# KiCad board Gotek.kicad_pcb (continued)
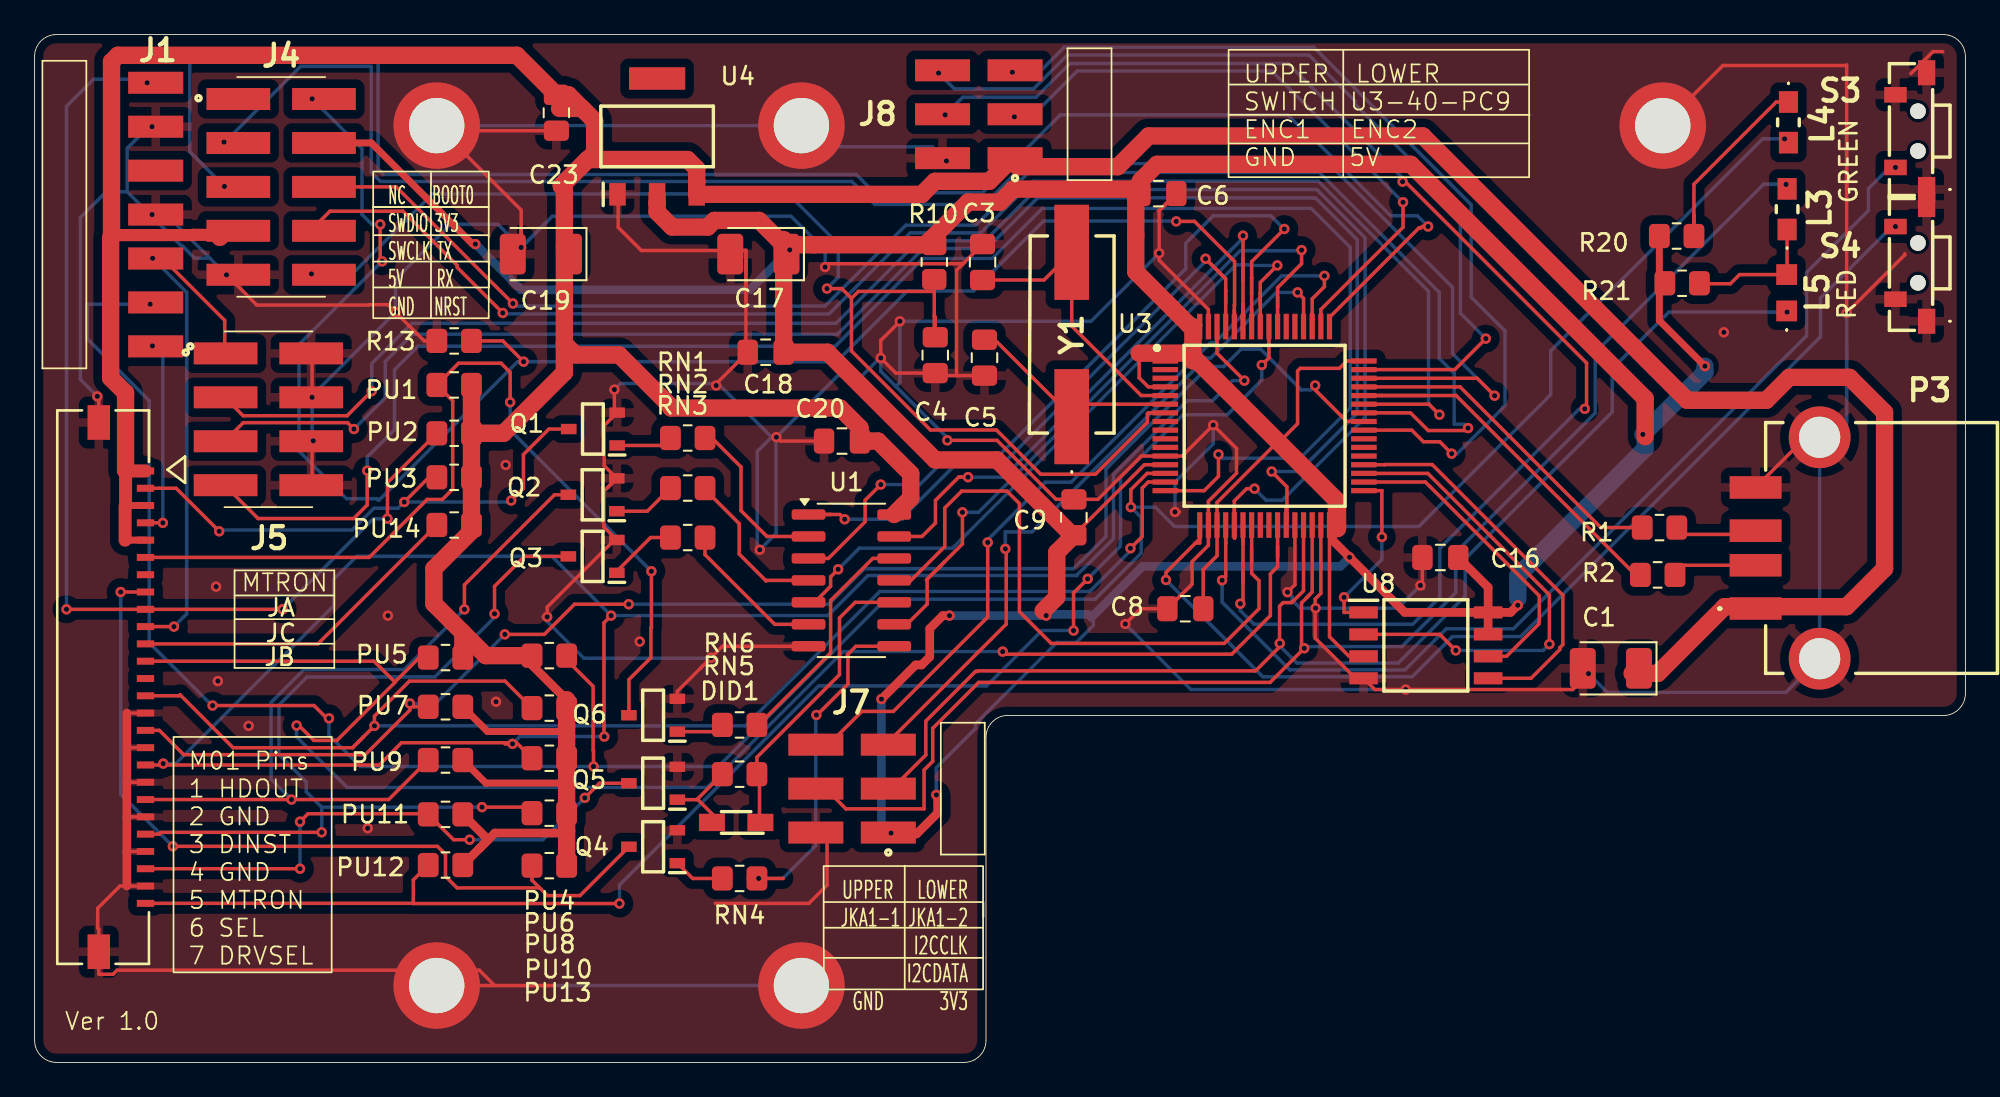
[diagram p0: board, top side]
## Routing (per net, layer and track width the routed paths; a pad name or vN(x,y) marks a point on that pad's centre or on a via; arc(x,y) is an arc through that point)
5V: length 309.8
  Top w0.2: 30.62,50.53 30.47,50.69 30.45,50.7 ; 30.75,19.49 PU6.2 30.75,19.49 ; 30.75,19.49 PU8.2 ; C23.1 30.16,55.95 ; 38.27,50.93 U4.3 ; U1.14 50.16,32.16 ; U1.14 49.92,31.92 ; U1.14 50.64,32.64 ; 5.26,32.26 5.32,32.2 P1.3 ; 48.23,35.93 C20.2 ; PU12.2 25.68,12.34 ; 30.75,16.59 PU8.2 ; 30.75,16.59 PU8.2 ; 30.75,16.59 PU10.2 PU13.2 ; 5.23,32.16 5.27,32.2 ; 24.75,14.34 PU11.2
  Top w0.4: 30.75,16.59 30.31,16.15 26.08,16.15 25.64,16.59 PU9.2 ; P1.3 5.27,32.2 ; P1.5 5.23,30.2 ; 30.75,19.49 30.4,19.13 26.18,19.13 PU7.2
  Top w0.5: PU10.2 30.75,13.36 30.65,13.26 26.6,13.26 26.22,12.88 ; 25.68,12.34 26.22,12.88 ; 25.68,12.34 26.22,12.88 ; 25.68,12.34 PU12.2 ; 26.22,12.88 24.75,14.34 ; 30.75,20.97 28.75,22.97 PU4.1
  Top w0.7: 4.39,47.7 4.54,47.85 4.86,47.85 4.86,47.84 9.14,47.84 9.14,47.85 10.56,47.85 10.71,47.7
  Top w0.75: P1.1 5.3,34.2 5.26,34.24 5.26,32.26 ; 5.23,30.2 5.23,32.16
  Top w1: 30.62,41.56 30.62,50.53 ; 30.62,41.56 30.62,39.89 27.11,36.38 PU2.2 ; 30.62,41.56 31.28,40.91 33.79,40.91 36.79,37.91 36.79,37.84 46.56,37.84 47.7,36.69 C20.2 48.75,35.93 50.64,34.04 50.64,32.64 50.16,32.16 U1.14 ; 4.44,47.75 4.44,57.86 4.81,58.23 27.88,58.23 30.16,55.95 30.86,55.95 32.37,54.44 ; PU2.2 PU3.2 PU14.2 25.25,30.72 23.08,28.55 23.08,26.52 24.75,24.85 ; PU2.2 PU1.2 ; 32.37,54.44 32.37,52.59 31.98,52.2 ; 32.37,54.44 31.65,55.16 30.34,55.16 ; 4.39,47.7 4.39,39.57 5.26,38.71 5.26,34.24 5.3,34.2 ; PU4.1 26.08,23.52 24.75,24.85 ; 31.98,52.2 30.47,50.69 30.45,50.67 30.45,50.7 31.95,52.2 31.98,52.2 ; 31.98,52.2 37.74,52.2 38.27,51.67 U4.3 51.28,50.19 52.03,50.94 55.18,50.94 56.43,52.2 56.84,51.79 62.61,51.79 64.39,53.57 80.24,53.57 95.52,38.28 100.09,38.28 101.42,39.61 104.91,39.61 106.93,37.59 106.93,28.55 104.73,26.35 97.68,26.35 93.83,22.49 92.34,22.49 ; 30.75,20.97 PU6.2 PU8.2 PU10.2 PU13.2 ; 24.75,24.85 PU5.2 ; 10.71,47.7 11.09,48.08
+3.3V: length 321.9
  Top w0.2: 43.94,47.28 v1(43.65,46.98) 43.61,46.95 44.72,46.95 45.04,47.28 R10.1 51.75,47.53 ; 25.45,47.34 v1(25.48,47.31) ; 74.84,30.88 74.84,31.07 ; 74.84,30.88 74.84,31.07 ; 74.84,30.88 75.01,30.71 ; 74.84,30.88 74.84,24.61 75.98,23.48 U8.3 ; 74.84,31.07 U3.32 ; 74.84,31.07 74.84,32.57 ; 96.62,40.19 v1(96.54,40.26) ; C9.2 64.15,34.56 U3.13 ; 76.83,40.56 U3.48 75.85,40.56 75.42,40.13 73.15,40.13 73,39.98 73,36.93 72.03,35.96 ; R21.1 93.91,45.37 R20.1 ; C16.2 82.29,29.19 ; 65.36,39.06 U3.4 64.37,39.06 63.84,39.58 63.84,41.01 ; v1(92.95,36.31) 93.09,36.18 ; 71.63,35.67 68.34,32.38 U3.19 68.34,31.07 68.34,29.3 67.55,28.5 67.55,26.23 C8.1 ; 66.72,42.65 67.4,42.65 67.4,42.6 67.34,42.55 U3.64 ; 35.98,49.68 U4.2 ; 63.92,50.6 C6.1 ; U8.8 U8.7
  Top w0.4: 15.94,53.16 19.47,53.16 25.3,47.34 25.45,47.34 ; v1(96.54,40.26) 93.91,42.89 R20.1
  Top w0.5: 52.2,15.34 52.2,14.43 50.98,13.21 49.5,13.21 ; U8.8 84.01,27.47 82.29,29.19 ; U8.8 U8.7 ; U8.8 79.19,26.02 v1(76.01,29.21) 75.01,30.2 75.01,30.71 ; U8.8 85.31,26.02 v1(85.72,26.43) ; v1(52.88,25.84) 52.49,25.84 51.74,25.08 51.74,23.45 51.27,22.98 50.92,22.98 v1(48.95,21.01)
  Top w1: 63.84,41.01 66.75,41.01 75.31,32.45 75.31,30.86 ; 66.93,42.44 66.72,42.65 63.65,45.72 63.65,49.97 C6.1 63.92,50.97 64.87,51.93 79.55,51.93 93.09,38.39 93.09,36.18 ; 58.29,26.11 59.08,26.9 59.08,29.49 C9.2 59.98,30.48 55.63,34.84 52.05,34.84 45.83,41.06 C18.2 43.29,47.58 ; 63.81,50.13 63.45,50.5 56.57,50.5 55.81,49.74 53.96,49.74 51.75,47.53 51.49,47.28 43.94,47.28 ; U4.2 35.98,49.17 36.85,48.3 38.91,48.3 39.29,48.68 41.88,48.68 43.61,46.95 ; 66.95,42.55 66.95,40.56
  Bottom w0.2: 61.19,25.26 61.19,25.73 61.08,25.73 ; 52.12,15.45 v1(52.12,15.47) 52.12,17.04 54.38,19.3 54.38,19.58 59.09,24.28 60.21,24.28 61.08,25.15 ; 85.72,26.82 v1(85.72,26.43) ; v1(92.95,36.31) 93.09,36.18
  Bottom w0.5: v1(25.48,47.31) 28.12,44.67 41.34,44.67 v1(43.65,46.98) ; v1(52.88,25.84) v1(58.47,25.84) 58.54,25.91 60.9,25.91 61.08,25.73 64.04,28.68 75.48,28.68 v1(76.01,29.21) ; 49.56,13.21 v1(49.5,13.26) 48.95,13.82 v1(48.95,21.01)
  Bottom w1: 85.72,26.82 85.72,28.13 93.09,35.49 93.09,36.18 ; v1(96.54,40.26) 96.54,39.9 v1(92.95,36.31)
GND: length 563.3
  Top w0.2: 104.17,36.42 104.17,36.42 104.17,36.42 ; 104.17,36.42 103.45,36.42 P3.MH2 102.37,36.14 P3.4 ; P1.25 4.93,10.2 3.65,8.91 3.65,7.76 3.71,7.7 P1.P2 3.71,5.1 4.54,5.1 4.78,5.33 25.7,5.33 26.59,4.45 ; v1(16.1,35.94) 16.04,35.88 16.04,33.38 ; C8.2 66.19,26.95 ; C8.2 66.19,26.95 ; C8.2 63.93,26.23 v1(63.04,25.35) ; 66.19,26.95 66.9,27.66 66.9,28.96 67.84,29.9 67.84,30.94 ; 80.26,27.41 v1(80.1,27.58) 80.21,27.69 C16.1 ; H3.1 26.59,4.45 ; 26.59,4.45 29.94,4.45 ; 45.8,13.21 45.8,10.24 44.75,9.19 39.34,9.19 ; 104.74,53.96 104.74,51.16 ; 33.12,33.24 32.9,33.02 32.9,30.96 Q3.2 33.51,30.21 29.63,26.32 v1(29.63,25.76) ; 33.12,33.24 Q2.2 ; 33.12,33.24 33.12,33.24 Q2.2 ; Q2.2 32.92,34.5 32.92,36.82 Q1.2 33.51,37.73 v1(33.51,38.9) ; 65.39,49.63 C6.2 ; 65.39,49.63 C6.2 ; 65.39,49.63 65,49.24 ; C6.2 65,49.24 ; C6.2 65,49.24 ; 11.09,45.54 v1(11.09,45.54) 12.84,43.79 19.28,43.79 19.3,43.81 20.42,43.81 v1(20.86,43.37) 22.52,41.72 R13.2 ; 67.84,30.94 67.84,31.07 ; 67.84,30.94 67.84,31.07 ; P1.23 5.61,12.2 ; 38.59,22.9 v1(39.1,23.4) 39.75,24.06 U1.7 ; 38.59,22.9 38.45,22.76 ; 38.59,22.9 37.15,21.46 Q6.2 ; 65,49.24 v1(65,46.79) 65,46.38 67.84,43.53 67.84,42.55 ; 65,49.24 65,49.24 ; 41.11,46.95 41.11,44.06 ; 41.11,46.95 41.11,44.06 ; 41.11,46.95 39.76,46.95 ; 41.11,46.95 35.07,46.95 33.73,48.28 33.73,50.15 U4.1 ; 41.11,44.06 41.11,41.17 C18.1 39.4,39.24 v1(39.4,39.14) ; 28.12,47.66 28.12,47.66 v1(28.12,47.12) 28.12,47.66 ; 28.12,47.66 28.12,48.2 ; 28.12,47.66 28.12,48.2 ; 53.29,39.71 53.29,45.81 53.72,46.25 ; 53.29,39.71 52.2,39.71 C4.2 49.78,39.86 v1(48.91,40.73) 48.91,41.75 v1(50.01,42.85) ; 53.29,39.71 C5.2 ; v1(16.04,38.46) 16.04,41 ; 67.84,31.07 U3.18 67.84,32.44 69.47,34.07 69.47,35.5 v1(68.12,36.85) 66.33,35.06 U3.12 63.96,35.06 61.46,32.56 C9.1 59.04,32.56 55.63,35.97 v1(52.76,35.97) ; v1(42.88,36.15) 43.1,35.93 C20.1 45.63,35.93 ; 5.61,18.2 5.61,18.2 ; 5.61,18.2 P1.17 ; 5.61,18.2 5.61,18.2 ; U3.31 74.34,27.12 74.02,26.79 74.02,24.53 76.34,22.21 U8.4 77.46,21.56 v1(79.25,21.56) 88.9,21.56 89.1,21.76 89.84,22.49 ; 104.74,51.16 104.74,50.42 ; 104.74,51.16 104.74,50.42 ; 104.74,51.16 104.74,57.67 104.71,57.64 97.58,57.64 H5.1 ; 104.74,51.16 104.74,50.42 ; P1.21 5.61,14.2 ; 5.61,14.2 5.61,14.2 ; 5.61,14.2 5.61,14.2 ; 108.45,57.17 109.72,58.44 110.3,58.44 ; 108.1,46.76 108.1,46.69 v1(104.74,43.33) 104.74,50.42 ; P1.19 5.61,16.2 ; 5.61,16.2 5.61,16.2 ; 5.61,16.2 5.61,16.2 ; v1(72.41,27.19) 72.84,27.62 72.84,31.07 U3.28 ; v1(3.62,38.51) 3.62,38.39 3.71,38.3 P1.P1 ; 28.12,48.2 28.12,49.29 H1.1 23.54,53.87 30.16,53.87 30.16,53.87 30.16,53.87 ; P1.15 5.61,20.2 ; 53.72,46.25 53.66,46.18 45.88,46.18 v1(45.69,45.99) ; 53.72,46.25 C3.1 ; v1(65.91,31.83) 66.18,31.83
  Top w0.5: 5.33,10.2 5.33,14.2 ; 5.33,20.2 5.33,18.2 ; 5.33,16.2 5.33,14.2 ; 5.33,18.2 5.33,16.2
  Bottom w0.2: 29.56,48.56 v1(28.12,47.12) ; 29.56,48.56 29.93,48.93 43.72,48.93 45.69,46.95 v1(45.69,45.99) ; 29.56,48.56 v1(28.12,47.12) ; v1(28.12,47.12) 26.78,48.46 24.04,48.46 20.86,45.28 v1(20.86,43.37) 16.04,38.55 v1(16.04,38.46) 16.04,36.01 v1(16.1,35.94) ; 42.6,36.15 39.61,39.14 v1(39.4,39.14) 39.28,39.26 33.87,39.26 v1(33.51,38.9) ; 42.6,36.15 41.77,35.33 41.77,29.5 v1(41.91,29.64) 42.86,30.58 42.86,36.13 ; 42.6,36.15 v1(42.88,36.15) ; 104.74,43.42 v1(104.74,43.33) 104.74,41.36 ; 6.76,54.25 6.79,54.29 v1(6.79,54.1) 6.6,54.1 5.35,52.85 5.35,50.34 ; 29.36,25.76 v1(29.63,25.76) 29.63,25.49 31.75,23.37 39.06,23.37 v1(39.1,23.4) ; 104.74,39.18 104.74,41.36 ; 104.74,39.18 104.74,41.36 ; 104.74,39.18 104.74,36.99 104.17,36.42 ; v1(89.81,22.48) 90.9,21.39 101.23,21.39 P3.MH1 ; 42.86,36.13 42.75,36.13 ; 42.86,36.13 v1(42.88,36.15) ; v1(63.04,25.35) 66.83,21.56 v1(79.25,21.56) ; 5.35,50.34 4.14,50.34 2.65,48.85 2.65,39.49 v1(3.62,38.51) ; 5.35,50.34 8.5,47.19 8.56,47.19 9.25,46.5 10.13,46.5 ; v1(68.12,36.85) 68.12,35.76 65.91,33.55 v1(65.91,31.83) ; H1.1 H2.1 45.55,52.94 51.89,52.94 v1(52.71,52.12) ; 49.78,39.08 50.01,39.31 v1(50.01,42.85) 61.06,42.85 v1(65,46.79) ; 49.78,39.08 48.91,39.96 v1(48.91,40.73) 48.85,40.73 47.84,39.72 46.44,39.72 v1(42.88,36.15) ; 49.78,39.08 52.76,36.11 v1(52.76,35.97) ; v1(11.09,45.54) 7.61,49.02 v1(6.79,49.02) ; P3.MH2 103.17,23.28 ; H3.1 H4.1 ; v1(80.1,27.58) 78.79,26.27 v1(74.04,26.27) 73.14,26.27 72.69,26.72 72.69,26.91 v1(72.41,27.19)
  vias: v1(10.49,27.51) v1(10.59,22.05) v1(12.37,19.46) v1(19.25,13.54) v1(20.42,25.83) v1(26.67,20.85) v1(27.23,34.54) v1(34.98,24.33) v1(97.64,42.21)
BUT_L: length 61.5
  Top w0.2: v1(65.4,27.9) 65.4,28.33 67.1,30.03 ; 67.1,30.03 67.34,30.03 67.34,30.28 ; 67.1,30.03 67.34,30.28 ; 67.34,30.28 67.34,30.67 ; 67.34,30.28 67.34,30.67 ; 67.34,30.67 67.34,30.87 67.34,30.87 U3.17
  Bottom w0.2: v1(107.56,48.33) 107.36,48.33 103.23,44.2 103.23,41.95 85.89,24.62 81.95,24.62 79.62,22.29 71,22.29 v1(65.4,27.9)
BUT_R: length 61.2
  Top w0.2: 68.84,31.07 68.84,30.01 ; 68.84,30.01 68.84,30.01 U3.20 ; 68.84,30.01 68.84,28.08 v1(68.64,27.88) 68.74,27.78
  Bottom w0.2: v1(68.64,27.88) 68.64,26.61 72.55,22.69 79.21,22.69 81.58,25.07 85.48,25.07 102.42,42.01 102.42,45.68 105.99,49.25 105.99,50.52 107.22,51.75 v1(107.56,51.75)
CHNG: length 54.5
  Top w0.2: v1(35.65,28.4) 35.65,28.39 35.65,25.14 35.62,25.11 35.62,23.41 34.35,22.13 Q6.3 ; P1.6 19.34,29.2 22.69,32.55 23.57,32.55 24.17,33.15 24.17,38.26 PU1.1 24.51,40.43 26.96,40.43 27.49,39.9 v1(27.49,38.17)
  Bottom w0.2: v1(35.65,28.4) 27.49,36.56 v1(27.49,38.17)
CHNG_3V3: length 36.2
  Top w0.2: 69.84,45.17 69.84,43.86 ; 69.84,45.17 69.84,46.49 ; 69.84,45.17 69.84,46.49 ; 69.84,43.86 69.84,42.55 ; 69.84,43.86 69.84,43.86 U3.59 ; 69.84,46.49 v1(69.84,47.8) 69.84,47.87 69.83,47.89 ; U1.13 51.29,30.41 52.07,31.19 52.07,32.5 53.43,33.86 53.49,33.86 53.51,33.85 53.94,33.85 v1(53.95,33.84)
  Bottom w0.2: v1(53.95,33.84) 56.02,33.84 69.84,47.66 v1(69.84,47.8)
D+: length 4.8
  Top w0.2: R1.2 95.31,30.53 99.26,30.53 P3.3
D-: length 5.4
  Top w0.2: 95.14,28.52 95.37,28.74 P3.2 ; 95.14,28.52 R2.2 94.98,28.35 95.14,28.52
DIR: length 94.1
  Top w0.2: v1(15.14,19.48) 15.28,19.48 16.14,18.62 17.47,18.62 20.82,21.97 20.82,21.99 ; PU5.1 22.24,23.41 20.82,21.99 ; 71.84,30.47 71.84,30.47 U3.26 ; 71.84,30.47 71.84,31.07 ; 71.84,30.47 71.84,28.66 71.43,28.24 71.43,25.84 69.2,23.6 56.11,23.6 v1(55.96,23.75) 56.09,23.62 ; 71.84,29.26 71.84,29.86 ; 20.82,21.99 19.62,23.2 P1.12
  Bottom w0.2: v1(15.14,19.48) 15.14,18.82 18.06,15.9 38.87,15.9 46.73,23.75 v1(55.96,23.75)
DRVSEL: length 11.5
  Top w0.2: P1.4 v1(7.41,31.2)
  Bottom w0.2: v1(7.41,31.2) 7.41,40.82 v1(6.81,41.43)
ENC1: length 82.6
  Top w0.2: 69.84,27.78 69.84,28.87 ; 69.84,27.78 69.84,26.68 v1(69.69,26.52) ; 69.84,27.78 69.84,28.87 ; 69.84,28.87 69.84,29.97 ; 69.84,29.97 69.84,29.97 U3.22 ; 69.84,29.97 69.84,31.07 ; v1(89.6,37.79) 89.7,37.79 89.7,40.44 79.22,50.93 v1(79.07,50.93)
  Bottom w0.2: v1(52.63,54.79) 53.64,55.8 57.89,55.8 59.84,57.76 72.44,57.76 79.07,51.13 v1(79.07,50.93) ; v1(89.6,37.79) 89.56,37.75 89.25,37.75 81.23,29.73 81.23,26.9 79.65,25.33 70.48,25.33 69.69,26.12 v1(69.69,26.52)
ENC2: length 36.5
  Top w0.2: 74.34,42.79 74.34,43.53 79.1,48.29 v1(79.1,49.73) ; 74.34,42.79 74.34,42.55 ; 74.34,42.79 74.34,42.79 U3.50 ; 74.34,43.29 74.34,43.04
  Bottom w0.2: 56.54,54.76 v1(56.63,54.67) 56.64,54.66 57.61,54.66 60.27,57.33 71.5,57.33 v1(79.1,49.73)
ENCSW: length 51.1
  Top w0.2: U3.47 82.09,40.06 v1(83.88,41.85)
  Bottom w0.2: 52.21,57.24 v1(52.25,57.2) 53.17,56.29 57.73,56.29 59.69,58.24 73.66,58.24 76.31,55.59 76.31,55.41 82.41,49.31 82.41,43.32 v1(83.88,41.85)
HDOUT: length 61.3
  Top w0.2: v1(14.34,26.2) P1.9 v1(1.84,26.2) ; v1(20.4,31.44) 20.4,33.52 PU2.1
  Bottom w0.2: v1(14.34,26.2) 19.58,31.44 v1(20.4,31.44) ; v1(6.5,56.64) 6.3,56.85 3.41,56.85 1.84,55.28 v1(1.84,26.2)
I2C2_CLK: length 85.7
  Top w0.2: 73.48,26.84 73.84,27.2 U3.30 ; 73.71,27.05 73.23,26.57 73.23,24.1 v1(73.38,23.95) 71.41,21.97 54.57,21.97 51.91,19.32 51.91,17.4 51.41,16.9 51.41,14.66 46.89,14.66 45.8,15.75
  Bottom w0.2: 99.95,50.77 99.93,50.77 90.18,41.02 90.2,41 90.2,37.54 82.14,29.48 82.14,27.15 79.03,24.04 73.48,24.04 v1(73.38,23.95) ; 99.95,50.77 v1(101.23,50.77) 99.95,50.77
I2C2_DTA: length 76
  Top w0.2: 49.5,15.75 49.5,15.77 51.51,17.78 51.51,19.74 54.38,22.6 54.49,22.6 54.52,22.64 70.57,22.64 71.97,24.04 v1(71.97,24.23) 71.96,24.24 71.96,26.38 72.17,26.59 72.66,26.59 73.34,27.27 U3.29
  Bottom w0.2: v1(101.3,43.38) 94.46,43.38 91.18,40.11 91.18,37.61 82.68,29.11 82.68,26.96 78.82,23.09 72.96,23.09 71.97,24.08 v1(71.97,24.23)
INDEX: length 31.6
  Top w0.2: v1(21.36,32.4) 22.79,33.83 PU3.1 ; Q1.3 29.73,36.62 28.25,35.15 28.25,33.19 v1(27.55,32.49) ; P1.2 7.21,33.2 8.18,33.2 v1(10.67,30.71)
  Bottom w0.2: v1(27.55,32.49) 27.46,32.4 v1(21.36,32.4) 21,32.04 19.61,32.04 18.36,30.78 10.74,30.78 v1(10.67,30.71)
INDEX_3V3: length 38.1
  Top w0.2: 68.84,43.24 68.84,42.55 ; 68.84,43.24 68.84,43.24 U3.61 ; 68.84,43.24 68.84,43.93 ; 68.84,44.62 68.84,43.93 ; 68.84,44.62 68.84,43.93 ; 68.84,44.62 68.84,45.31 v1(67.68,46.47) 68.81,45.34 ; v1(46.82,31.4) 46.55,31.68 46.01,31.68 ; 46.01,31.68 U1.1 46.01,31.68
  Bottom w0.2: v1(67.68,46.47) 67.68,46.32 55.84,34.47 53.14,34.47 50.14,31.47 50.14,31.4 v1(46.82,31.4)
J3_BOOT0: length 95.1
  Top w0.2: U3.60 69.34,42.85 69.34,42.85 ; 69.34,42.85 69.34,42.55 ; 69.34,42.85 69.34,43.16 ; v1(19.98,48.45) 19.98,46.43 v1(20.09,46.32) ; R13.1 27.06,41.72 v1(28.26,40.52) ; 69.34,43.47 69.34,43.16 ; 69.34,43.47 69.34,43.16 ; 69.34,43.47 69.34,43.78 69.36,43.79 69.36,46.31 67.04,48.63 v1(65.99,48.63)
  Bottom w0.2: v1(20.09,46.32) 15.28,41.51 15.28,35.34 18.03,32.59 19.79,32.59 19.89,32.49 27.92,40.52 v1(28.26,40.52) 46.2,40.52 46.2,40.51 46.35,40.51 50.44,44.6 54.26,44.6 58.31,48.65 65.96,48.65 v1(65.99,48.63) ; v1(16.04,55.71) 18.92,52.83 18.92,49.02 19.49,48.45 v1(19.98,48.45)
JA: length 97.2
  Top w0.2: 69.37,30.3 69.34,30.32 69.34,31.42 ; 10.99,38.46 12.05,37.39 18.06,37.39 v1(19.48,38.81) ; 69.34,32.13 69.34,31.78 ; 69.34,31.42 69.34,32.46 70.05,33.17 v1(70.51,33.17) ; 69.34,31.42 69.34,31.42 U3.21
  Bottom w0.2: v1(70.51,33.17) 71.17,32.51 72.12,32.51 76.9,37.29 76.9,47.68 74.11,50.47 57.89,50.47 54.93,47.51 51.1,47.51 46.32,42.73 21.81,42.73 19.48,40.41 v1(19.48,38.81)
JB: length 100.9
  Top w0.2: 19.29,34.28 v1(19.23,34.22) 19.23,32.23 18.44,31.45 12.92,31.45 10.99,33.38 ; U3.16 67.6,33.06 68.43,33.88 v1(68.43,35.15)
  Bottom w0.2: v1(19.23,34.22) 19.23,35 20.8,36.58 20.8,40.05 22.17,41.41 46.28,41.41 51.36,46.49 55.35,46.49 58.24,49.38 73.79,49.38 76.05,47.12 76.05,37.84 73.15,34.93 68.65,34.93 v1(68.43,35.15)
JC: length 94.7
  Top w0.2: 72.38,32.11 72.34,32.07 ; 72.38,32.11 72.38,33.28 v1(71.5,34.16) ; 72.38,32.11 72.4,32.09 72.4,31.32 ; 72.34,32.07 72.34,31.57 ; 72.34,32.07 72.34,32.07 U3.27 ; v1(18.46,36.62) 18.09,36.99 12.06,36.99 11.15,36.08
  Bottom w0.2: v1(71.5,34.16) 73.08,34.16 76.45,37.53 76.45,47.57 74.06,49.96 73.94,49.96 73.91,49.99 57.97,49.99 55.04,47.06 51.36,47.06 46.41,42.1 21.84,42.1 20.27,40.53 20.27,38.43 v1(18.46,36.62)
JKA1-1: length 46.7
  Top w0.2: 73.84,43.35 73.84,42.55 U3.51 73.84,44.15 74.55,44.86 v1(74.55,45.48) ; v1(55.09,30.06) 55.09,25.75 49.63,20.29 47.81,20.29 45.8,18.29
  Bottom w0.2: v1(55.09,30.06) 55.09,30.22 58.42,33.55 59.91,33.55 67.97,41.6 68.2,41.6 72.07,45.48 v1(74.55,45.48) 74.55,45.48
JKA1-2: length 39.9
  Top w0.2: U3.52 73.34,42.55 73.34,44.18 v1(73,44.52) ; 49.5,18.29 49.5,18.68 56.16,25.34 56.16,29.64 v1(56.11,29.69)
  Bottom w0.2: v1(73,44.52) 71.77,44.52 67.98,40.73 67.7,40.73 57.65,30.67 56.11,30.67 v1(56.11,29.69)
MTRON: length 31.6
  Top w0.2: P1.10 v1(8.06,25.2) ; v1(6.82,46.49) 7.4,46.49 10.99,42.9 10.99,41
  Bottom w0.2: 6.81,46.51 v1(6.82,46.49) 8.79,44.53 8.79,25.93 v1(8.06,25.2)
NRST: length 75.4
  Top w0.2: C4.1 52,41.99 52,43.16 ; C4.1 52.06,42.43 ; C4.1 52.06,42.43 ; C4.1 52.06,42.43 ; 52.06,42.94 52.06,43.1 52,43.16 ; 52.06,42.94 52.06,42.43 ; 52.06,42.94 52.06,42.43 ; 52,43.16 52,44.58 ; 47.22,44.18 47.22,41.13 51.78,36.57 55.59,36.57 58.15,34.01 61.32,34.01 64.32,37.01 64.32,37.51 64.37,37.56 U3.7 65.36,37.56 ; 47.22,44.18 47.62,44.58 52,44.58 ; 47.22,44.18 46.65,44.74 v1(45.8,44.74) ; 52,44.93 R10.2 52,44.93 ; 52,44.93 52,44.58
  Bottom w0.2: 15.95,45.59 v1(16,45.59) 18.37,45.59 22.99,50.22 43.56,50.22 46.46,47.32 46.46,45.4 v1(45.8,44.74)
RDATA: length 34.2
  Top w0.2: PU11.1 22.72,14.38 15.8,14.38 v1(15.34,13.92) ; PU11.1 23.4,13.69 ; PU11.1 23.07,14.02 ; PU11.1 23.07,14.02 ; 23.4,13.69 23.4,13.69 23.07,14.02 ; 23.4,13.69 24.22,12.88 v1(25.14,12.88) ; Q5.3 32.65,16.14 v1(31.8,15.3) ; P1.24 v1(15.34,11.2)
  Bottom w0.2: v1(31.8,15.3) 29.38,12.88 v1(25.14,12.88) ; v1(15.34,13.92) v1(15.34,11.2)
RDATA_3V3: length 39.2
  Top w0.2: 70.34,28.98 70.34,29.67 ; 70.34,30.37 70.34,31.07 ; 70.34,30.37 70.34,30.37 U3.23 ; 70.34,30.37 70.34,28.28 70.77,27.85 70.77,26.24 68.76,24.23 58.76,24.23 56.92,26.06 56.92,32.31 56.2,33.03 53.58,33.03 52.61,32.05 52.61,29.82 50.51,27.73 50.41,27.73 50.27,27.87 U1.11
READY: length 48.3
  Top w0.2: 29.19,10.09 28.75,10.53 PU13.1 ; 29.19,10.09 29.64,9.65 31.52,9.65 Q4.3 ; 29.19,10.09 24.42,10.09 23.75,10.76 23.75,12.03 23.28,12.49 v1(7.99,12.49) ; v1(4.97,27.2) P1.8
  Bottom w0.2: v1(4.97,27.2) 4.97,15.51 v1(7.99,12.49)
READY_3V3: length 42
  Top w0.2: U1.9 50.42,25.33 51.59,26.5 51.59,27.94 52.59,28.94 ; 71.84,44.23 71.84,43.67 ; 71.84,44.23 71.84,44.79 73.23,46.18 v1(73.23,46.97) ; 71.84,44.23 71.84,43.67 ; 71.84,43.67 71.84,43.11 ; 71.84,43.11 71.84,43.11 U3.55 ; 71.84,43.11 71.84,42.55 ; v1(53.63,31.8) 53.63,29.98 52.59,28.94 ; 52.59,28.94 51.55,27.9
  Bottom w0.2: v1(73.23,46.97) 73.2,46.93 69.68,46.93 54.55,31.8 v1(53.63,31.8)
SEL: length 153
  Top w0.2: 10.26,20.63 v1(10.29,20.63) 16.15,20.63 16.89,19.89 v1(17.02,19.89) ; v1(32.31,17.11) 32.31,18.02 32.28,18.04 32.28,21.74 30.75,23.28 PU4.2 ; v1(63.36,32.11) 63.36,33.12 64.3,34.06 U3.14 65.36,34.06
  Bottom w0.2: v1(101.15,53.4) 99.88,53.4 87.63,41.15 87.63,38.61 80.01,30.99 65.89,30.99 64.77,32.11 v1(63.36,32.11) 63.96,31.51 63.96,29.44 61.3,26.78 49.3,26.78 49.02,26.5 48.91,26.5 39.51,17.11 33.22,17.11 33.22,17.11 v1(32.31,17.11) 18.83,17.11 17.02,18.92 v1(17.02,19.89) ; 10.26,20.63 6.62,24.27 6.62,38.26 3.05,41.83 3.05,43.84 3.05,43.84 v1(6.68,43.84)
SIDE1: length 87.6
  Top w0.2: 21.89,9.2 21.89,10.55 PU12.1 ; 21.89,9.2 21.9,9.19 v1(33.8,9.19) ; 21.89,9.2 P1.26 ; 71.34,41.82 71.34,42.06 ; 71.34,42.3 71.34,42.3 U3.56 ; 71.34,42.3 71.34,40.74 v1(70.93,40.32) ; 71.34,42.3 71.34,42.55 ; v1(60.05,24.97) 60.05,27.14 v1(60.87,27.96)
  Bottom w0.2: v1(33.8,9.19) 33.8,10.26 45.31,21.77 55.02,21.77 58.22,24.97 v1(60.05,24.97) ; v1(60.87,27.96) 62.74,29.83 62.74,29.97 62.76,30 62.76,33.83 66.38,37.45 68.93,37.45 70.93,39.45 v1(70.93,40.32)
SPI2_MISO: length 27.8
  Top w0.2: 87.55,24.18 v1(87.55,24.18) 87.55,27.03 80.53,34.06 U3.35 ; U8.2 81.22,24.75 v1(82.14,23.82)
  Bottom w0.2: v1(82.14,23.82) 87.19,23.82 v1(87.55,24.18)
SPI2_MOSI: length 22.7
  Top w0.2: U3.36 78.03,34.56 78.04,34.57 80.78,34.57 88.33,27.01 88.33,24.15 88.16,23.98 88.16,23.87 86.49,22.21 U8.5
SPI2_SCK: length 18.2
  Top w0.2: U3.34 80.39,33.56 80.65,33.3 80.65,33.3 86.97,26.98 86.97,25.48 86.94,25.44 86.94,25.34 85.07,23.48 U8.6
SPI2_SS: length 10.1
  Top w0.2: v1(77.87,30.38) 77.87,33.06 U3.33 ; v1(75.69,26.89) 75.69,26.02 U8.1
  Bottom w0.2: v1(75.69,26.89) 77.87,29.08 v1(77.87,30.38)
STEP: length 80.4
  Top w0.2: P1.14 8.35,21.2 8.41,21.26 11.47,18.2 18.38,18.2 19.01,18.83 ; 19.01,18.83 v1(19.64,19.46) 19.64,20.02 21.67,22.05 27.19,22.05 PU6.1 ; 19.01,18.83 18.39,18.2 ; v1(63.34,29.73) 64.02,30.41 64.02,33.21 64.37,33.56 U3.15 65.36,33.56
  Bottom w0.2: v1(19.64,19.46) 41.08,19.46 48.85,27.23 60.99,27.23 63.34,29.58 v1(63.34,29.73)
SWCLK: length 100.3
  Top w0.2: 74.84,42.95 74.84,43.08 80.02,48.25 80.12,48.25 80.21,48.33 v1(80.54,48.33) ; 74.84,42.95 74.84,42.81 ; 74.84,42.95 74.84,42.81 ; 74.84,42.81 74.84,42.68 ; 74.84,42.68 74.84,42.68 U3.49 ; 74.84,42.68 74.84,42.55
  Bottom w0.2: v1(10.97,50.65) 8.97,52.65 8.97,58.09 9.14,58.27 19.78,58.27 19.85,58.2 19.85,51.64 20.16,51.34 47.49,51.34 48.55,50.28 54.78,50.28 59.29,54.79 72.42,54.79 73.44,53.77 73.56,53.77 78.38,48.96 79.92,48.96 v1(80.54,48.33)
SWDIO: length 98.9
  Top w0.2: U3.46 83.38,39.56 v1(84.39,38.55)
  Bottom w0.2: v1(10.95,53.21) 11,53.21 15.38,57.59 19.45,57.59 19.45,51.48 19.99,50.94 47.23,50.94 48.56,49.61 54.89,49.61 57.25,51.97 74.8,51.97 81.96,44.81 81.96,40.98 v1(84.39,38.55)
TRK0: length 46.4
  Top w0.2: Q2.3 30.05,32.82 24.84,27.61 v1(24.84,26.19) ; PU9.1 22.28,17.01 20.47,15.2 v1(14.85,15.2) P1.20
  Bottom w0.2: 24.84,26.26 v1(24.84,26.19) 21.37,22.72 15.58,22.72 13.67,20.81 13.67,16.38 v1(14.85,15.2)
TRK0_3V3: length 46.6
  Top w0.2: 70.34,44.42 70.34,43.48 ; 70.34,44.42 70.34,45.36 ; 70.34,44.42 70.34,45.36 ; 70.34,43.48 70.34,43.48 U3.58 ; 70.34,43.48 70.34,42.55 ; 70.34,45.36 70.34,45.36 ; 70.34,45.36 70.34,45.36 ; 70.34,45.36 70.34,46.3 v1(72.23,48.19) ; 45.41,29.14 U1.3 45.88,29.14 46.51,29.77 48.01,31.26 48.01,32.51 v1(48.91,33.41)
  Bottom w0.2: v1(48.91,33.41) 51.16,33.41 52.89,35.14 55.79,35.14 66.53,45.89 66.53,47.36 68.13,48.96 71.45,48.96 72.22,48.19 v1(72.23,48.19)
U3-40-PC9: length 53.2
  Top w0.2: U3.40 79.6,36.56 80.27,35.88 81.22,35.88 v1(81.91,35.2)
  Bottom w0.2: v1(56.51,57.25) 58.06,57.25 59.51,58.7 73.93,58.7 83.04,49.59 83.04,44.24 84.64,42.64 84.66,42.64 84.99,42.31 84.99,38 84.85,37.86 84.85,37.83 82.22,35.2 v1(81.91,35.2)
USART1_RX: length 85.4
  Top w0.2: v1(27.06,43.33) 24.43,45.96 24.43,46.07 21.29,49.22 17.07,49.22 15.94,48.08 ; v1(81.2,37.45) 80.59,38.06 U3.43
  Bottom w0.2: v1(27.06,43.33) 27.11,43.28 45.92,43.28 50.6,47.96 54.69,47.96 57.68,50.95 74.2,50.95 80.57,44.58 80.57,38.08 v1(81.2,37.45)
USART1_TX: length 89.6
  Top w0.2: v1(82.85,36.68) 82.71,36.53 80.55,36.53 79.53,37.56 U3.42 ; v1(27.64,43.88) 20.9,50.62 15.94,50.62
  Bottom w0.2: v1(82.85,36.68) 82.63,36.9 82.07,36.9 82.05,36.92 82.05,39.87 82.03,39.87 81.19,40.7 81.19,44.52 74.25,51.46 57.45,51.46 54.4,48.41 50.36,48.41 45.68,43.73 27.79,43.73 v1(27.64,43.88)
WDATA: length 86.7
  Top w0.2: 76.83,37.06 U3.41 75.85,37.06 74.02,38.89 v1(74.02,39.14) ; P1.16 7.21,19.2 8.62,17.79 19.11,17.79 21.69,20.37 v1(21.69,20.75) 21.88,20.56 PU7.1 ; v1(34.34,26.49) 31.2,26.49 29.46,24.75 v1(27.18,24.75)
  Bottom w0.2: 21.44,20.75 v1(21.69,20.75) 23.18,20.75 v1(27.18,24.75) ; 34.33,26.49 v1(34.34,26.49) 45.9,26.49 47.96,28.55 60.04,28.55 60.45,28.96 60.47,28.96 61.93,30.41 61.93,34.32 67.85,40.24 68.74,40.24 69.75,41.25 69.75,41.25 70.86,41.25 73.22,38.88 73.76,38.88 v1(74.02,39.14)
WGATE: length 118.5
  Top w0.2: 27.14,18.48 27.86,18.48 PU8.1 ; 27.14,18.48 27.2,18.42 v1(27.62,18.42) ; 27.14,18.48 21.21,18.48 20.9,18.18 19.92,17.2 7.52,17.2 v1(7.44,17.28) 7.29,17.28 7.21,17.2 P1.18 ; 68.34,41.83 68.34,41 v1(69.93,39.42) ; 68.34,41.83 68.34,41.83 U3.62 ; 68.34,41.83 68.34,42.55 ; v1(32.93,18.84) 32.91,18.86 32.91,25.42 v1(33.32,25.83)
  Bottom w0.2: v1(7.44,17.28) 8.16,17.28 17.29,26.41 17.29,27.93 18.62,29.26 29.89,29.26 v1(33.32,25.83) 45.85,25.83 48.16,28.15 60.23,28.15 60.27,28.19 60.27,28.21 60.62,28.56 60.64,28.56 62.36,30.28 62.36,34 66.63,38.26 68.09,38.26 68.86,39.03 ; 68.92,39.1 69.24,39.42 v1(69.93,39.42) ; v1(27.62,18.42) 28.05,18.84 v1(32.93,18.84)
WPROT: length 52.5
  Top w0.2: v1(16.59,13.3) 7.32,13.3 7.21,13.2 P1.22 ; v1(25.86,14.76) 28.4,14.76 PU10.1 ; v1(26.58,25.94) 26.58,27.53 28.31,29.26 Q3.3
  Bottom w0.2: 23.49,22.64 23.13,22.29 15.75,22.29 14.12,20.66 14.12,17.8 15.7,16.22 15.7,15.65 16.59,14.76 ; 16.59,14.76 v1(25.86,14.76) ; 16.59,14.76 v1(16.59,13.3) ; v1(26.58,25.94) 26.58,25.74 23.33,22.48
WPROT_3V3: length 40.7
  Top w0.2: v1(46.44,28.51) 46.01,28.08 46.01,27.53 45.08,26.6 U1.5 ; 70.84,44.46 70.84,43.82 ; 70.84,44.46 70.84,43.82 ; 70.84,44.46 70.84,45.1 v1(71.83,46.08) ; 70.84,43.82 70.84,43.18 ; U3.57 70.84,43.18 70.84,43.18 ; 70.84,43.18 70.84,42.55
  Bottom w0.2: v1(46.44,28.51) 47.67,29.74 53.05,29.74 53.66,30.34 53.93,30.62 53.93,30.62 69.43,46.12 70.27,46.12 70.31,46.08 v1(71.83,46.08)
Net-(DID1-A): length 5.1
  Top w0.2: Q5.1 38.28,15.19 38.31,15.22 ; 39.6,13.87 39.6,13.93 38.31,15.22 ; 38.31,15.22 RN5.1
Net-(DID1-K): length 17.4
  Top w0.2: 41.9,13.87 41.9,16.52 RN5.2 41.75,17.65 46.52,22.42 46.52,25.7 47.43,26.6 U1.10
Net-(L3-A): length 7.9
  Top w0.2: 96.24,45.04 R21.2 96.24,45.04 ; 96.24,45.04 96.26,45.02 98.02,45.02 98.54,45.55 L5.2 101.3,45.58 L3.1
Net-(L4-A): length 11.6
  Top w0.2: 95.91,48.97 R20.2 95.91,48.97 ; 95.91,48.97 95.91,50.77 100.67,55.53 L4.1
Net-(P1-Pad11): length 19.7
  Top w0.2: PU14.1 16.37,24.2 P1.11
Net-(Q1-B): length 3.3
  Top w0.2: Q1.1 36.32,35.67 RN1.1
Net-(Q2-B): length 3.7
  Top w0.2: RN2.1 35.41,31.87 Q2.1
Net-(Q3-B): length 4
  Top w0.2: RN3.1 35.6,30.35 33.65,28.39 33.65,28.37 ; 33.65,28.37 33.65,28.35 ; 33.65,28.37 33.65,28.35 ; 33.65,28.35 33.65,28.33 ; 33.65,28.33 Q3.1 33.65,28.33
Net-(Q4-B): length 2.7
  Top w0.2: Q4.1 38.04,10.64 39.48,10.64
Net-(Q6-B): length 2.8
  Top w0.2: Q6.1 39.36,19.12 RN6.1
Net-(RN1-Pad2): length 9.8
  Top w0.2: U1.2 42.33,30.41 40.83,31.91 40.83,34.43 39.15,36.1 RN1.2
Net-(RN2-Pad2): length 9.3
  Top w0.2: U1.4 42.31,27.87 42.28,27.84 40.73,29.39 40.73,31.15 38.75,33.13 RN2.2
Net-(RN3-Pad2): length 8.6
  Top w0.2: U1.6 42.78,25.33 38.75,29.36 RN3.2
Net-(RN4-Pad2): length 20.2
  Top w0.2: v1(41.85,10.64) 43.25,10.64 ; v1(45.19,20.09) 45.22,20.09 47.01,21.88 47.01,23.53 46.98,23.57 47.47,24.06 U1.8
  Bottom w0.2: v1(45.19,20.09) 45.15,20.05 45.15,12.53 43.25,10.64 v1(41.85,10.64)
Net-(RN6-Pad2): length 13.7
  Top w0.2: U1.12 48.45,29.14 46.01,26.7 46.01,23.68 41.85,19.51 RN6.2
Net-(U3-PA11): length 23
  Top w0.2: 80.38,38.56 82.16,38.56 92.53,28.19 R2.1 ; 80.38,38.56 77.87,38.56 ; 80.38,38.56 77.87,38.56 ; 77.87,38.56 77.67,38.56 ; 77.87,38.56 77.67,38.56 ; 77.67,38.56 U3.44
Net-(U3-PA12): length 19.5
  Top w0.2: U3.45 82.39,39.06 90.53,30.92 R1.1
Net-(U3-PH0): length 17.4
  Top w0.2: Y1.2 58.34,45.24 C3.2 ; Y1.2 59.74,46.84 ; Y1.2 59.94,42.58 63.96,38.56 U3.5 65.36,38.56
Net-(U3-PH1): length 12
  Top w0.2: C5.1 54.9,41.78 55.5,41.78 59.22,38.06 U3.6 65.36,38.06

## Copper pours and planes (outline as drawn; the poured copper is in the pictures)
GND on Top: -8.71,64.06 117.65,64.06 117.65,-4.19 117.53,-4.32 -8.97,-4.32 -8.97,63.8
GND on Top, Bottom: -8.84,64.06 117.78,64.06 117.78,-4.44 117.65,-4.57 -8.97,-4.57 -8.97,63.8 -8.84,63.93

## Text on the board
F.Silkscreen: Ver 1.0 | MTRON | JB | JC | JA | RED | GREEN | M01 Pins / 1 HDOUT / 2 GND / 3 DINST / 4 GND / 5 MTRON / 6 SEL / 7 DRVSEL | NC    BOOT0 / SWDIO 3V3 / SWCLK TX / 5V     RX / GND   NRST | UPPER   LOWER / JKA1-1 JKA1-2 / I2CCLK  I2CDATA / GND       3V3 | UPPER  LOWER / SWITCH U3-40-PC9 / ENC1   ENC2 / GND    5V
